# Altium PCB RF-BIG-DB5AT_v1.pcbdoc (part 1 of 7) (continued)
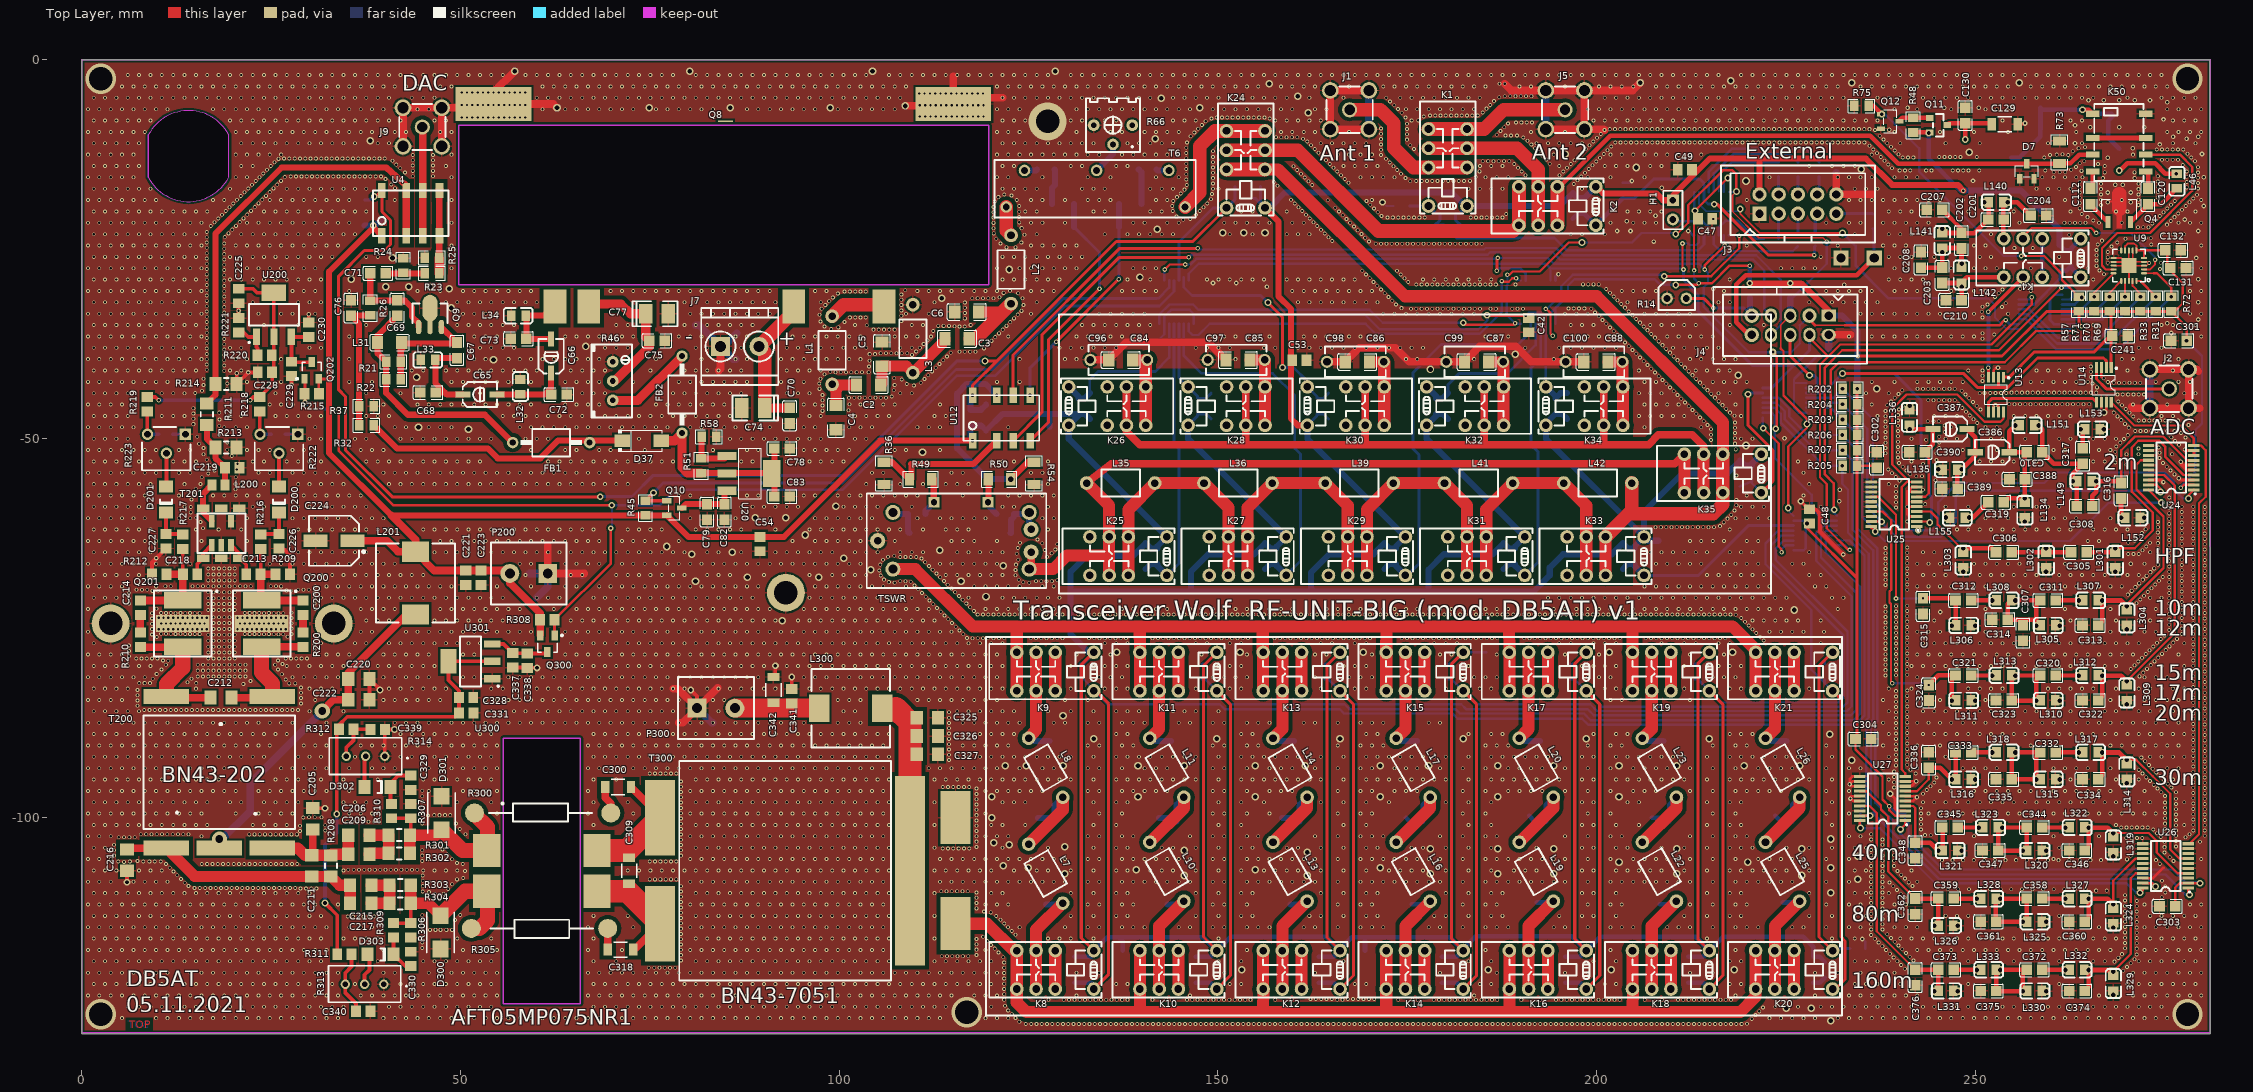
[diagram p0: Top Layer view]
## Components (designator, comment, footprint, x,y, rotation, side; value= is the part's Value field where it differs from the comment) (continued)
J5 "ANT2" SMA-TH_BWSMA-KE-Z001 195.834,-6.604 r0 top
J7 "HiCurrent13.8V" CONN-TH_TY500-5.08-02P-14-00AH 86.868,-37.846 r0 top
J9 "DAC" SMA-TH_BWSMA-KE-Z001 44.958,-8.89 r0 top
K1 "G6S-2-12V" RELAY-TH_G6S-2-X 180.34,-14.224 r90 top
K2 "G6S-2-12V" RELAY-TH_G6S-2-X 194.818,-19.304 r180 top
K4 "G6S-2-12V" RELAY-TH_G6S-2-X 258.826,-26.162 r180 top
K8 "G6S-2-12V" RELAY-TH_G6S-2-X 128.524,-120.142 r180 top
K9 "G6S-2-12V" RELAY-TH_G6S-2-X 128.524,-80.772 r180 top
K10 "G6S-2-12V" RELAY-TH_G6S-2-X 144.78,-120.142 r180 top
K11 "G6S-2-12V" RELAY-TH_G6S-2-X 144.78,-80.772 r180 top
K12 "G6S-2-12V" RELAY-TH_G6S-2-X 161.036,-120.142 r180 top
K13 "G6S-2-12V" RELAY-TH_G6S-2-X 161.036,-80.772 r180 top
K14 "G6S-2-12V" RELAY-TH_G6S-2-X 177.292,-120.142 r180 top
K15 "G6S-2-12V" RELAY-TH_G6S-2-X 177.292,-80.772 r180 top
K16 "G6S-2-12V" RELAY-TH_G6S-2-X 193.548,-120.142 r180 top
K17 "G6S-2-12V" RELAY-TH_G6S-2-X 193.548,-80.772 r180 top
K18 "G6S-2-12V" RELAY-TH_G6S-2-X 209.804,-120.142 r180 top
K19 "G6S-2-12V" RELAY-TH_G6S-2-X 209.804,-80.772 r180 top
K20 "G6S-2-12V" RELAY-TH_G6S-2-X 226.06,-120.142 r180 top
K21 "G6S-2-12V" RELAY-TH_G6S-2-X 226.06,-80.772 r180 top
K24 "G6S-2-12V" RELAY-TH_G6S-2-X 153.67,-14.478 r90 top
K25 "G6S-2-12V" RELAY-TH_G6S-2-X 138.176,-65.532 r180 top
K26 "G6S-2-12V" RELAY-TH_G6S-2-X 135.382,-45.72 r0 top
K27 "G6S-2-12V" RELAY-TH_G6S-2-X 153.924,-65.532 r180 top
K28 "G6S-2-12V" RELAY-TH_G6S-2-X 151.13,-45.72 r0 top
K29 "G6S-2-12V" RELAY-TH_G6S-2-X 169.672,-65.532 r180 top
K30 "G6S-2-12V" RELAY-TH_G6S-2-X 166.878,-45.72 r0 top
K31 "G6S-2-12V" RELAY-TH_G6S-2-X 185.42,-65.532 r180 top
K32 "G6S-2-12V" RELAY-TH_G6S-2-X 182.626,-45.72 r0 top
K33 "G6S-2-12V" RELAY-TH_G6S-2-X 201.168,-65.532 r180 top
K34 "G6S-2-12V" RELAY-TH_G6S-2-X 198.374,-45.72 r0 top
K35 "G6S-2-12V" RELAY-TH_G6S-2-X 216.662,-54.61 r180 top
K50 "G6K-2F-5V" RELAY-TH_G6K-2F-Y 268.986,-10.922 r270 top
L1 "0.2uH" BEAD-TH_BD3.5-L4.7-P8.70-D0.7 99.06,-38.354 r270 top value=7A
L2 "0.2uH" BEAD-TH_BD3.5-L4.7-P8.70-D0.7 122.682,-27.686 r90 top value=7A
L3 "0.2uH" BEAD-TH_BD3.5-L4.7-P8.70-D0.7 109.728,-36.83 r270 top value=7A
L7 "0.065uH" BEAD-TH_BD3.5-L4.7-P8.70-D0.7 127.254,-107.442 r120 top value=7A
L8 "0.065uH" BEAD-TH_BD3.5-L4.7-P8.70-D0.7 127.254,-93.472 r120 top value=7A
L10 "0.15uH" BEAD-TH_BD3.5-L4.7-P8.70-D0.7 143.256,-107.188 r120 top value=7A
L11 "0.15uH" BEAD-TH_BD3.5-L4.7-P8.70-D0.7 143.256,-93.472 r120 top value=7A
L13 "0.3uH" BEAD-TH_BD3.5-L4.7-P8.70-D0.7 159.512,-107.188 r120 top value=7A
L14 "0.3uH" BEAD-TH_BD3.5-L4.7-P8.70-D0.7 159.512,-93.472 r120 top value=7A
L16 "0.6uH" BEAD-TH_BD3.5-L4.7-P8.70-D0.7 175.768,-107.188 r120 top value=7A
L17 "0.6uH" BEAD-TH_BD3.5-L4.7-P8.70-D0.7 175.768,-93.472 r120 top value=7A
L19 "1.15uH" BEAD-TH_BD3.5-L4.7-P8.70-D0.7 192.024,-107.188 r120 top value=7A
L20 "1.15uH" BEAD-TH_BD3.5-L4.7-P8.70-D0.7 192.024,-93.472 r120 top value=7A
L22 "2.3uH" BEAD-TH_BD3.5-L4.7-P8.70-D0.7 208.28,-107.188 r120 top value=7A
L23 "2.3uH" BEAD-TH_BD3.5-L4.7-P8.70-D0.7 208.28,-93.472 r120 top value=7A
L25 "4.5uH" BEAD-TH_BD3.5-L4.7-P8.70-D0.7 224.536,-107.188 r120 top value=7A
L26 "4.5uH" BEAD-TH_BD3.5-L4.7-P8.70-D0.7 224.536,-93.472 r120 top value=7A
L31 "0.22u" L1206 40.64,-37.338 r180 top
L32 "0.0082u" L0805 57.912,-43.18 r270 top
L33 "0.0082u" L0805 45.72,-39.624 r0 top
L34 "0.0082u" L0805 57.658,-33.782 r0 top
L35 "0.1uH" BEAD-TH_BD3.5-L4.7-P8.70-D0.7 137.16,-55.88 r0 top value=7A
L36 "0.22uH" BEAD-TH_BD3.5-L4.7-P8.70-D0.7 152.654,-55.88 r0 top value=7A
L39 "0.45uH" BEAD-TH_BD3.5-L4.7-P8.70-D0.7 168.656,-55.88 r0 top value=7A
L41 "1.0uH" BEAD-TH_BD3.5-L4.7-P8.70-D0.7 184.404,-55.88 r0 top value=7A
L42 "2.2uH" BEAD-TH_BD3.5-L4.7-P8.70-D0.7 200.152,-55.88 r0 top value=7A
L46 "0.22u" L0805 276.606,-16.002 r90 top
L134 "0.0082u" L0805-WOLF 256.54,-59.436 r90 top
L135 "0.0082u" L0805-WOLF 246.634,-54.102 r0 top
L136 "0.0082u" L0805-WOLF 241.3,-47.244 r270 top
L140 "0.1u" L0805-WOLF 252.73,-18.796 r180 top
L141 "0.082u" L0805-WOLF 245.618,-23.876 r270 top
L142 "0.15u" L0805-WOLF 248.159,-28.449 r270 top
L149 "0.022u" L0805-WOLF 264.414,-55.626 r180 top
L151 "0.022u" L0805-WOLF 256.794,-48.26 r180 top
L152 "0.33u" L0805-WOLF 270.764,-60.452 r180 top
L153 "0.18u" L0805-WOLF 265.43,-48.768 r180 top
L155 "0.33u" L0805-WOLF 247.65,-60.452 r0 top
L200 "22nH" IND_0805 18.034,-56.123 r180 top
L201 "10uH" IND_FERRITE_CORE 44.069,-69.088 r90 top
L300 "10uH" IND_FERRITE_CORE 101.514,-85.612 r180 top
L301 "0.27u" L0805-WOLF 268.478,-66.04 r90 top
L302 "0.082u" L0805-WOLF 259.334,-66.04 r90 top
L303 "0.1u" L0805-WOLF 248.412,-66.04 r90 top
L304 "0.47u" L0805-WOLF 270.002,-73.66 r90 top
L305 "0.15u" L0805-WOLF 259.588,-74.676 r180 top
L306 "0.15u" L0805-WOLF 248.412,-74.676 r180 top
L307 "0.27u" L0805-WOLF 265.176,-71.374 r180 top
L308 "0.33u" L0805-WOLF 253.746,-71.374 r180 top
L309 "1u" L0805-WOLF 270.002,-83.566 r90 top
L310 "0.33u" L0805-WOLF 259.588,-84.582 r180 top
L311 "0.33u" L0805-WOLF 248.412,-84.582 r180 top
L312 "0.56u" L0805-WOLF 265.176,-81.28 r180 top
L313 "0.82u" L0805-WOLF 253.746,-81.28 r180 top
L314 "1.5u" L0805-WOLF 270.002,-93.98 r90 top
L315 "0.47u" L0805-WOLF 259.588,-94.996 r180 top
L316 "0.56u" L0805-WOLF 248.412,-94.996 r180 top
L317 "1u" L0805-WOLF 265.176,-91.44 r180 top
L318 "1.5u" L0805-WOLF 253.746,-91.44 r180 top
L319 "1.8u" L0805-WOLF 268.224,-103.632 r90 top
L320 "0.68u" L0805-WOLF 257.81,-104.394 r180 top
L321 "0.82u" L0805-WOLF 246.634,-104.394 r180 top
L322 "2.2u" L0805-WOLF 263.398,-101.346 r180 top
L323 "2.7u" L0805-WOLF 251.968,-101.346 r180 top
L324 "4.7u" L0805-WOLF 268.224,-113.03 r90 top
L325 "1.5u" L0805-WOLF 257.81,-113.792 r180 top
L326 "1.8u" L0805-WOLF 246.126,-114.3 r180 top
L327 "2.7u" L0805-WOLF 263.398,-110.744 r180 top
L328 "3.3u" L0805-WOLF 251.714,-110.744 r180 top
L329 "5.6u" L0805-WOLF 268.224,-121.92 r90 top
L330 "2.2u" L0805-WOLF 257.81,-122.936 r180 top
L331 "2.2u" L0805-WOLF 246.126,-122.936 r180 top
L332 "6.8u" L0805-WOLF 263.398,-120.142 r180 top
L333 "8.2u" L0805-WOLF 251.714,-120.142 r180 top
P200 "13.8V" "2 Pole Screw" 59.015,-67.818 r180 top
P300 "HiCurrent 13.8V" "2 Pole Screw" 83.733,-85.598 r0 top
Q4 "PGA103+/SPF5189Z" SOT-89-3_L4.5-W2.5-P1.50-LS4.2-TL 268.986,-20.066 r90 top
Q8 "RA80H1415M1" RA80H1415M1 49.784,-29.718 r0 top locked
Q9 "RD01MUS1" RD01MUS1 45.974,-34.036 r270 top
Q10 "IRLML9301" SOT-23-3_L2.9-W1.3-P1.90-LS2.4-BR 78.232,-59.182 r180 top
Q11 "IRLML9301" SOT-23_L2.9-W1.3-P1.90-LS2.4-BR 245.11,-8.636 r180 top
Q12 "BSS123" SOT-23-3_L2.9-W1.6-P1.90-LS2.8-BR 238.76,-8.128 r180 top
Q200 "AFT09MS015NT1" AFT09MS015NT1 23.749,-74.422 r180 top
Q201 "AFT09MS015NT1" AFT09MS015NT1 13.335,-74.422 r180 top
Q202 "IRLML9301" SOT23 30.353,-41.021 r0 top
Q300 "IRLML9301" SOT23 61.468,-77.089 r180 top
R3 "560" R0805#1 223.012,-23.622 r180 bottom
R7 "560" R0805#1 224.028,-14.478 r270 bottom
R8 "560" R0805#1 226.568,-23.622 r270 bottom
R9 "560" R0805#1 226.568,-14.478 r270 bottom
R10 "560" R0805#1 228.854,-23.622 r270 bottom
R11 "560" R0805#1 229.362,-14.478 r270 bottom
R12 "560" R0805#1 236.474,-21.336 r270 bottom
R13 "2k" R0805#1 220.218,-30.48 r90 bottom
R14 "KTY81/120" RES-TH_KTY81 210.566,-31.496 r180 top
R21 "750" R0805#2 41.148,-39.878 r180 top
R22 "470" R0805#2 41.148,-42.164 r180 top
R23 "20" R0805#2 46.228,-28.194 r0 top
R24 "300" R0805#2 42.418,-27.178 r270 top
R25 "300" R0805#2 46.228,-26.162 r0 top
R26 "56" R0805#2 38.1,-32.766 r90 top
R31 "1k" R0805#2 273.812,-32.258 r90 top
R32 "6.8k" R0805#2 37.592,-48.26 r180 top
R33 "1k" R0805#2 271.78,-32.258 r90 top
R35 "1k" R0805#1 225.552,-30.48 r90 bottom
R36 "510" R1206#1 105.918,-54.61 r90 top
R37 "2.7k" R0805#2 37.592,-45.72 r180 top
R39 "18" R1206#2 268.986,-13.208 r270 bottom
R45 "30k" R0805#2 74.422,-59.182 r90 top
R46 "1K" RES-ADJ-TH_3296W 70.104,-42.418 r0 top
R48 "30k" R0805#2 241.808,-8.636 r270 top
R49 "0" R1206#1 110.744,-55.372 r0 top
R50 "0" R1206#3 121.158,-55.372 r180 top
R51 "100" R0805#2 81.788,-53.594 r270 top
R54 "510" R1206#1 125.73,-54.61 r270 top
R55 "50" R1206#2 121.158,-62.484 r180 bottom
R56 "50" R1206#2 110.744,-62.484 r180 bottom
R57 "1k" R0805#2 263.652,-32.258 r90 top
R58 "620" R0805#2 82.804,-49.784 r0 top
R64 "1K" R1206#2 129.54,-22.098 r180 bottom
R65 "0" R1206#2 129.54,-19.05 r0 bottom
R66 "100" RES-ADJ-TH_3362P 136.144,-9.906 r180 top
R67 "0" R1206#2 138.43,-19.05 r180 bottom
R68 "1K" R1206#2 135.382,-22.098 r0 bottom
R69 "1k" R0805#2 269.748,-32.258 r90 top
R70 "1k" R0805#2 267.716,-32.258 r90 top
R71 "1k" R0805#2 265.684,-32.258 r90 top
R72 "1k" R0805#2 275.844,-32.258 r90 top
R73 "10k" R1206#1 261.112,-12.192 r270 top
R75 "30k" R0805#2 234.95,-6.096 r180 top
R200 "430" RES_0805 29.21,-76.581 r270 top
R201 "1k" R0805#1 233.426,-41.402 r0 bottom
R202 "1k" R0805#2 233.426,-43.434 r180 top
R203 "1k" R0805#2 233.426,-47.498 r180 top
R204 "1k" R0805#2 233.426,-45.466 r180 top
R205 "1k" R0805#2 233.426,-53.594 r180 top
R206 "1k" R0805#2 233.426,-49.53 r180 top
R207 "1k" R0805#2 233.426,-51.562 r180 top
R208 "100" RES_1206 32.893,-106.429 r90 top
R209 "1k" RES_0805 26.543,-67.945 r180 top
R210 "430" RES_0805 7.747,-76.581 r270 top
R211 "20" RES_1206 16.51,-46.799 r270 top
R212 "1k" RES_0805 10.226,-67.945 r180 top
R213 "300" RES_1206 19.05,-51.181 r180 top
R214 "300" RES_1206 19.05,-42.799 r180 top
R215 "30k" RES_0805 30.353,-44.069 r0 top
R216 "56" RES_0805 23.622,-63.627 r270 top
R217 "56" RES_0805 13.335,-63.627 r270 top
R218 "100" RES_0805 23.495,-45.466 r90 top
R219 "100" RES_0805 8.636,-45.466 r90 top
R220 "200" RES_0805 24.13,-38.989 r180 top
R221 "1.2k" RES_0805 20.701,-35.052 r90 top
R222 "ADJ-1k" 306J 26.035,-51.343 r270 top value=1k
R223 "ADJ-1k" 306J 11.176,-51.343 r270 top value=1k
R300 "PartNumber" Res_2W 51.85,-99.441 r0 top value=220
R301 "4.7" RES_1206 41.91,-102.362 r0 top
R302 "4.7" RES_1206 41.91,-104.775 r0 top
R303 "4.7" RES_1206 42.037,-108.966 r0 top
R304 "4.7" RES_1206 42.037,-111.379 r0 top
R305 "PartNumber" Res_2W 69.435,-114.681 r180 top value=220
R306 "2.2k" RES_0805 43.434,-114.935 r90 top
R307 "2.2k" RES_0805 43.434,-99.187 r90 top
R308 "30k" RES_0805 61.468,-73.914 r180 top
R309 "1k" RES_0805 41.148,-114.935 r90 top
R310 "1k" RES_0805 40.894,-99.187 r270 top
R311 "56" RES_0805 34.671,-118.11 r180 top
R312 "56" RES_0805 34.925,-88.392 r180 top
R313 "ADJ-10k" 3296W-1 37.338,-122.047 r180 top value=10k
R314 "ADJ-10k" 3296W-1 37.465,-91.948 r180 top value=10k
T6 "VHF Tandem Meter" "VHF SWR METER" 133.858,-17.018 r0 top
T200 "TRANSF_HF3" TRANSF_HF3 18.176,-94.074 r0 top locked
T201 "1:1" TRANSF_ACORE2 18.415,-62.483 r90 top
T300 "TRANSF_HF2" "TRANSF_HF3 - bn43-7051" 92.847,-107.061 r90 top locked
TSWR "BN-61-202" BN43-202_TANDEM 116.332,-63.5 r0 top
U1 "STPIC6C595TTR" TSSOP-16_L5.0-W4.4-P0.65-LS6.4-BL 258.572,-33.274 r90 bottom
U2 "STPIC6C595TTR" TSSOP-16_L5.0-W4.4-P0.65-LS6.4-BL 144.526,-32.004 r0 bottom
U3 "STPIC6C595TTR" TSSOP-16_L5.0-W4.4-P0.65-LS6.4-BL 192.278,-32.004 r0 bottom
U4 "axicom im06c" IM06C 39.624,-23.241 r0 top
U6 "LM1117DT-5.0" TD03B 252.73,-12.954 r270 bottom
U7 "STPIC6C595TTR" TSSOP-16_L5.0-W4.4-P0.65-LS6.4-BL 228.854,-62.484 r270 bottom
U9 "PE4302" QFN-20L_L4.0-W4.0-P0.50-BL-EP2.0 270.256,-27.178 r90 top
U11 "STPIC6C595TTR" TSSOP-16_L5.0-W4.4-P0.65-LS6.4-BL 215.138,-20.32 r180 bottom
U12 "axicom im06c" IM06C 117.602,-50.292 r0 top
U13 "ADG918BRMZ" MSOP-8_L3.0-W3.0-P0.65-LS4.9-BL 252.73,-44.196 r180 top
U14 "ADG918BRMZ" MSOP-8_L3.0-W3.0-P0.65-LS4.9-BL 266.954,-42.926 r180 top
U20 "LT1117-ADJ" SOT-223-3_L6.5-W3.4-P2.30-LS7.0-BR 88.138,-54.61 r180 top
U21 "STPIC6C595TTR" TSSOP-16_L5.0-W4.4-P0.65-LS6.4-BL 224.79,-44.958 r90 bottom
U24 "ADG904BRUZ" TSSOP-20 275.844,-53.848 r180 top
U25 "ADG904BRUZ" TSSOP-20 239.268,-58.674 r180 top
U26 "ADG904BRUZ" TSSOP-20 275.082,-106.426 r180 top
U27 "ADG904BRUZ" TSSOP-20 237.744,-97.536 r180 top
U200 "LT1117IST-ADJ" LT1117IST-ADJ 25.273,-33.655 r90 top value=LT1117-ADJ
U300 "AFT05MP075NR1" AFT05MP075NR1-Direct_Mount 60.745,-107.084 r270 top
U301 "LT1117IST-5.0" LT1117IST-ADJ 51.308,-79.502 r180 top

## Footprints (in the part's own frame and the unit in brackets; to place one, negate y for a bottom-side part, rotate by r counter-clockwise, add the part's x,y. Pads: shape width x height; smd on the part's side, far side on the other; paste and mask are expansions set on the pad)
"2 Pole Screw" [mm]
  rect 2.5x2.5 hole 1.3: 1(-2.5,0)
  round 2.5 hole 1.3: 2(2.5,0)
  silkscreen extent -5,-4.1 5,4.1
306J [mm]
  rect 1.5x1.5 hole 0.9: 1(-1.9,2.5)
  round 1.5 hole 0.9: 2(0.6,0) 3(-1.9,-2.5)
  silkscreen extent -2.85,-3.2 2.85,3.2
1206_180 [mm]
  rect 1.1x1.6 smd: 1(-1.7,0) 2(1.7,0)
  silkscreen extent -0.9,-1 0.9,1, body extent -1.75,-0.95 1.75,0.95, height 1.9
3296W-1 [mm]
  round 1.24 hole 0.74: 1(-2.54,0) 2(0,0) 3(2.54,0)
  silkscreen extent -5.64,-2.41 4.76,2.41, body extent -4.78,-2.48 4.78,2.35, height 11.55
AFT05MP075NR1-Direct_Mount [mm]
  rect 4.4x3.6 smd: 1(-2.69,-7.277) 2(2.69,-7.277) 3(-2.69,7.273) 4(2.69,7.273)
  Keep-Out Layer lines w0.2: 17.526,-5.08 -17.526,-5.08 -17.526,5.08 17.526,5.08 17.526,-5.08
  silkscreen extent -9.02,-5.33 -8.76,-5.08
AFT09MS015NT1 [mm]
  rect 4.91x2.16 smd: 1(0,-3.05) 3(0,3.05)
  rect 7.11x2.26 smd: 2(0,0)
  silkscreen extent -4.71,-4.48 3.81,4.38
BEAD-TH_BD3.5-L4.7-P8.70-D0.7 [mm]
  round 1.8 hole 1: 1(-4.5,0) 2(4.5,0)
  silkscreen extent -2.54,-1.8 2.54,1.8
BN43-202_TANDEM [mm]
  round 2 hole 1.2: 1(-9.25,3.75) 2(8.75,3.75) 3(-9.25,-3.75) 4(8.75,-3.75)
  round 2 hole 1: 5(9,-1.5) 6(9,1.5) 7(-11.25,0)
  silkscreen extent -12.7,-6.25 11,6.25
C0805#1 [mm]
  rect 1.41x1.35 smd: 1(1.03,0) 2(-1.03,0)
  silkscreen extent -1.96,-0.9 1.96,0.9
C0805#2 [mm]
  rect 1.41x1.35 smd: 1(-1.03,0) 2(1.03,0)
  silkscreen extent -1.96,-0.9 1.96,0.9
C0805#3 [mm]
  rect 1.41x1.35 hole 0.808: 1(1.03,0)
  rect 1.41x1.35 smd: 2(-1.03,0)
  silkscreen extent -1.96,-0.9 1.96,0.9
C0805#4 [mm]
  rect 1.41x1.35 smd: 1(1.03,0)
  rect 1.41x1.35 hole 0.808: 2(-1.03,0)
  silkscreen extent -1.96,-0.9 1.96,0.9
C1206 [mm]
  rect 1.485x1.728 smd: 1(-1.593,0) 2(1.593,0)
  silkscreen extent -2.56,-1.09 2.56,1.09
C1210 [mm]
  rect 1.635x2.7 smd: 1(1.517,0) 2(-1.517,0)
  silkscreen extent -2.56,-1.58 2.56,1.58
CAP-ADJ-SMD_L4.5-W3.2-L [mm]
  rect 2x0.8 smd: 1(-2.25,0) 2(2.25,0)
  silkscreen extent -2.29,-1.65 2.25,1.65
CAP-TH_L8.0-W4.0-P7.50-D0.6 [mm]
  round 1.6 hole 1: 1(-3.75,0) 2(3.75,0)
  silkscreen extent -4,-2 4,2
CAP_0805 [mm]
  rect 1.3x1.5 smd: 1(-0.75,0) 2(1.15,0)
CAP_1206 [mm]
  rect 1.6x1.8 smd: 1(-1.4,0) 2(1.4,0)
CAPAE_6.6x6.6h5.4 [mm]
  rect 3.15x1.6 smd: 1(-2.362,0) 2(2.538,0)
  silkscreen extent -4.11,-3.3 3.39,3.3
CASE-B_3528 [mm]
  rect 1.8x2.6 smd: 1(1.501,0) 2(-1.501,0)
  silkscreen extent -2.73,-1.65 3.26,1.65
CONN-TH_TY500-5.08-02P-14-00AH [mm]
  rect 2.5x2.5 hole 1.5: 1(-2.54,0)
  round 2.5 hole 1.5: 2(2.54,0)
  silkscreen extent -5.08,-5.08 5.08,5.08
FERRITE_BEAD [mm]
  round 1.5 hole 0.8: 1(-5.08,0) 2(5.08,0)
  silkscreen extent -4.04,-1.82 4.04,1.82
HDR-F-2.54_1X2 [mil]
  rect 62x62 hole 35: 1(-50,0)
  round 62 hole 35: 2(50,0)
  silkscreen extent -100,-49 100,50
IDC-10#1 [mm]
  rect 1.9x1.9 hole 1.1: 1(-5.08,-1.27)
  round 1.9 hole 1.1: 2(-5.08,1.27) 3(-2.54,-1.27) 4(-2.54,1.27) 5(0,-1.27) 6(0,1.27) 7(2.54,-1.27) 8(2.54,1.27) 9(5.08,-1.27) 10(5.08,1.27)
  silkscreen extent -10.16,-5.08 10.16,5.08
IDC-10#2 [mm]
  rect 1.9x1.6 hole 1.1: 1(-5.08,-1.27)
  oval 1.9x1.6 hole 1.1: 2(-5.08,1.27)
  round 1.9 hole 1.1: 3(-2.54,-1.27) 9(5.08,-1.27) 10(5.08,1.27)
  oval 1.6x1.9 hole 1.1: 4(-2.54,1.27) 5(0,-1.27) 6(0,1.27) 7(2.54,-1.27) 8(2.54,1.27)
  silkscreen extent -10.16,-5.08 10.16,5.08
IM06C [mm]
  rect 1x2 smd: 1(0,0) 2(3.2,0) 3(5.4,0) 4(7.6,0) 5(7.6,6) 6(5.4,6) 7(3.2,6) 8(0,6)
  silkscreen extent -1.2,0 8.8,6
IND_0805 [mm]
  rect 1.2x1.45 smd: 1(-0.85,0) 2(0.85,0)
IND_FERRITE_CORE [mm]
  rect 2.7x3.6 smd: 1(-4.15,0) 2(4.15,0)
  silkscreen extent -5.2,-5.2 5.2,5.2
L0805 [mm]
  rect 1.133x1.377 smd: 1(-0.966,0) 2(0.966,0)
  silkscreen extent -1.95,-1.02 1.86,1.02
L0805-WOLF [mm]
  rect 1x1 hole 0.61: 1(-1.55,0.02) 2(1.55,0.02)
  rect 1.133x1.377 smd: 1(-0.966,0) 2(0.966,0)
  silkscreen extent -1.95,-1.02 1.86,1.02
L1206 [mm]
  rect 1.485x1.728 smd: 1(-1.593,0) 2(1.593,0)
  silkscreen extent -2.56,-1.09 2.56,1.09
LT1117IST-ADJ [mm]
  rect 2.15x0.95 smd: 1(-2.9,2.215) 2(-2.9,-0.085) 3(-2.9,-2.385)
  rect 2.15x3.25 smd: 4(2.9,-0.085)
  silkscreen extent -3.86,-3.38 1.4,3.38
MSOP-8_L3.0-W3.0-P0.65-LS4.9-BL [mil]
  rect 15.98x55 smd: 1(-38.39,-90.56) 2(-12.8,-90.56) 3(12.8,-90.55) 4(38.39,-90.55) 5(38.39,90.56) 6(12.8,90.56) 7(-12.8,90.55) 8(-38.39,90.55)
  silkscreen extent -70,-91 59,51
QFN-20L_L4.0-W4.0-P0.50-BL-EP2.0 [mm]
  oval 0.28x0.8 smd: 1(-1,-2) 2(-0.5,-2) 3(0,-2) 4(0.5,-2) 5(1,-2) 11(1,2) 12(0.5,2) 13(0,2) 14(-0.5,2) 15(-1,2)
  oval 0.8x0.28 smd: 6(2,-1) 7(2,-0.5) 8(2,0) 9(2,0.5) 10(2,1) 16(-2,1) 17(-2,0.5) 18(-2,0) 19(-2,-0.5) 20(-2,-1)
  rect 2x2 smd: 21(0,0)
  silkscreen extent -2.15,-2.81 2.15,2.15
R0805#1 [mm]
  rect 1.133x1.377 smd: 1(0.966,0) 2(-0.966,0)
  silkscreen extent -1.76,-0.92 1.76,0.92
R0805#2 [mm]
  rect 1.133x1.377 smd: 1(-0.966,0) 2(0.966,0)
  silkscreen extent -1.76,-0.92 1.76,0.92
R1206#1 [mm]
  rect 1.208x1.701 smd: 1(-1.479,0) 2(1.479,0)
  silkscreen extent -2.31,-1.08 2.31,1.08
R1206#2 [mm]
  rect 1.208x1.701 smd: 1(1.479,0) 2(-1.479,0)
  silkscreen extent -2.31,-1.08 2.31,1.08
R1206#3 [mm]
  rect 1.208x1.701 hole 0.726: 1(-1.479,0)
  rect 1.208x1.701 smd: 2(1.479,0)
  silkscreen extent -2.31,-1.08 2.31,1.08
RA80H1415M1 [mm]
  rect 3.048x4.5 smd: 1(12.7,-2.877)
  rect 3x4.5 smd: 2(17.145,-2.877) 3(44.196,-2.877) 4(56.134,-2.877)
  rect 2x0.2 smd: 5(35.179,21.596)
  Keep-Out Layer board cut-out: 0,21.082 0,0 69.977,0 69.977,21.082
RD01MUS1 [mm]
  oval 1.9x0.7 smd: D(1.25,1.5) G(1.25,-1.5)
  oval 3.5x2 smd: S(-1.25,0)
  oval 2.1x0.7 smd: S(1.151,0)
  silkscreen extent -1.85,-2.3 0.75,2.3
RELAY-TH_G6K-2F-Y [mm]
  rect 0.8x1.8 smd: 1(-3.8,-3.5) 2(-0.6,-3.5) 3(1.6,-3.5) 4(3.8,-3.5) 5(3.8,3.5) 6(1.6,3.5) 7(-0.6,3.5) 8(-3.8,3.5)
  silkscreen extent -5.07,-3.3 5.09,3.2
RELAY-TH_G6S-2-X [mm]
  round 1.8 hole 1: 1(-5.08,-2.54) 3(0,-2.54) 4(2.54,-2.54) 5(5.08,-2.54) 8(5.08,2.54) 9(2.54,2.54) 10(0,2.54) 12(-5.08,2.54)
  silkscreen extent -6.08,-3.65 8.72,3.65
RES-ADJ-TH_3296W [mil]
  round 60 hole 30: 1(0,100) 2(0,0) 3(0,-100)
  silkscreen extent -110,-190 100,190
RES-ADJ-TH_3362P [mil]
  round 60 hole 30: 1(-100,-50) 2(0,50) 3(100,-50)
  silkscreen extent -140,-190 140,90
RES-TH_KTY81 [mil]
  round 60 hole 35.43: 1(50,0) 2(-50,0)
  silkscreen extent -95,-95 95,60
Res_2W [mm]
  round 2.5 smd: 1(0,0) 2(18,0)
  silkscreen extent 1.91,-1.14 15.49,1.27
RES_0805 [mm]
  rect 1.3x1.5 smd: 1(-0.95,0) 2(0.95,0)
RES_1206 [mm]
  rect 1.6x1.8 smd: 1(-1.4,0) 2(1.4,0)
  silkscreen extent -0.3,-0.8 0.3,0.8
SMA-TH_BWSMA-KE-Z001 [mm]
  round 2.2 hole 1.5: 1(-2.55,-2.55) 2(-2.55,2.55) 3(2.55,2.55) 4(2.55,-2.55)
  round 2 hole 1.35: 5(0,0)
  silkscreen extent -3.05,-3.05 3.05,3.05
SMA_L4.3-W2.6-LS5.2-RD [mm]
  rect 2x2 hole 1.199: 1(2.2,0) 2(-2.2,0)
  silkscreen extent -2.6,-1.5 2.98,1.5
SMA_L4.4-W2.8-LS5.4-RD [mm]
  rect 2.046x1.62 smd: 1(-2.566,0) 2(2.565,0)
  silkscreen extent -3.08,-1.44 2.7,1.44
SMBJ36CATR [mm]
  rect 2.2x2.15 smd: 1(-2.2,0) 2(2.2,0)
  silkscreen extent -2.68,-1.81 2.68,1.81, body extent -3.08,-1.81 3.09,1.81, height 2.75
SOD-123FL_L2.6-W1.6-LS3.4-RD [mm]
  rect 1.3x1.3 smd: 1(-1.7,0) 2(1.7,0)
  silkscreen extent -1.5,-1 1.5,1
SOD-323_L1.8-W1.3-LS2.5-RD [mm]
  rect 1x0.75 smd: 1(1.173,0) 2(-1.173,0)
  silkscreen extent -0.9,-0.8 1.08,0.8
SOT23 [mm] "SOT-23; 3 Leads; Body 3.0 x 2.6 mm, inc. leads (LxW max)"
  rect 0.85x1.3 smd: 1(-0.95,-1.1) 2(0.95,-1.1) 3(0,1.1)
  silkscreen extent -2.05,-1.22 1.28,1.1
SOT-23-3_L2.9-W1.3-P1.90-LS2.4-BR [mm]
  rect 1.25x0.7 smd: 1(1,-0.95) 2(1,0.95) 3(-1,0)
  silkscreen extent -0.73,-1.53 0.73,1.53
SOT-23-3_L2.9-W1.6-P1.90-LS2.8-BR [mm]
  rect 1.07x0.6 smd: 1(1.235,-0.95) 2(1.235,0.95) 3(-1.235,0)
  silkscreen extent -0.88,-1.54 0.88,1.54
SOT-23_L2.9-W1.3-P1.90-LS2.4-BR [mm]
  rect 1x0.8 smd: 1(1.15,-0.95) 2(1.15,0.95) 3(-1.15,0)
  silkscreen extent -0.7,-1.5 0.7,1.5
SOT-89-3_L4.5-W2.5-P1.50-LS4.2-TL [mm]
  rect 1.575x0.672 smd: 1(-1.356,1.5) 3(-1.356,-1.5)
  round 0 smd: 2(1.356,-0.009)
  Top Layer region: 2.283,-0.959 0.429,-0.959 0.385,-0.958 0.34,-0.955 0.296,-0.949 0.252,-0.942 0.208,-0.933 0.165,-0.921 0.123,-0.908 0.081,-0.893 0.04,-0.875 0,-0.856 -0.04,-0.835 -0.078,-0.812 -0.115,-0.788 -0.151,-0.761 -0.185,-0.733 -0.219,-0.704 -0.251,-0.673 -0.281,-0.64 -0.31,-0.606 -0.337,-0.571 -0.362,-0.534 -0.386,-0.497 -0.408,-0.458 -0.428,-0.418 -0.447,-0.339 -2.144,-0.339 -2.144,0.321 -0.447,0.321 -0.428,0.401 -0.408,0.44 -0.386,0.479 -0.362,0.517 -0.337,0.553 -0.31,0.588 -0.281,0.622 -0.251,0.655 -0.219,0.686 -0.185,0.716 -0.151,0.744 -0.115,0.77 -0.078,0.795 -0.04,0.818 0,0.839 0.04,0.858 0.081,0.875 0.123,0.89 0.165,0.904 0.208,0.915 0.252,0.925 0.296,0.932 0.34,0.937 0.385,0.94 0.429,0.941 2.283,0.941 2.328,0.94 2.372,0.937 2.416,0.932 2.46,0.925 2.504,0.915 2.547,0.904 2.589,0.89 2.631,0.875 2.672,0.858 2.713,0.839 2.752,0.818 2.79,0.795 2.827,0.77 2.863,0.744 2.898,0.716 2.931,0.686 2.963,0.655 2.993,0.622 3.022,0.588 3.049,0.553 3.075,0.517 3.098,0.479 3.12,0.44 3.141,0.401 3.159,0.36 3.175,0.318 3.189,0.276 3.202,0.233 3.212,0.19 3.22,0.146 3.227,0.102 3.231,0.058 3.233,0.013 3.233,-0.031 3.231,-0.076 3.227,-0.12 3.22,-0.164 3.212,-0.208 3.202,-0.251 3.189,-0.294 3.175,-0.336 3.159,-0.377 3.141,-0.418 3.12,-0.458 3.098,-0.497 3.075,-0.534 3.049,-0.571 3.022,-0.606 2.993,-0.64 2.963,-0.673 2.931,-0.704 2.898,-0.733 2.863,-0.761 2.827,-0.788 2.79,-0.812 2.752,-0.835 2.713,-0.856 2.672,-0.875 2.631,-0.893 2.589,-0.908 2.547,-0.921 2.504,-0.933 2.46,-0.942 2.416,-0.949 2.372,-0.955 2.328,-0.958
  silkscreen extent -1,-2.33 1.65,2.33
SOT-223-3_L6.5-W3.4-P2.30-LS7.0-BR [mm]
  rect 2.5x1.1 smd: 1(2.97,-2.3) 2(2.97,0) 3(2.97,2.3)
  rect 2.34x3.6 smd: 4(-2.97,0)
  silkscreen extent -1.57,-3.33 1.37,3.33
SS14 [mm]
  rect 1.6x1.8 smd: 1(-1.4,0) 2(2.032,0)
  silkscreen extent -0.3,-0.8 0.3,0.8
TD03B [mil]
  rect 37.5x75.5 smd: 1(90,166) 3(-90,166)
  rect 217.5x272.5 smd: 4(0,-78)
  silkscreen extent -132,74 135,171
TRANSF_ACORE2 [mm]
  rect 1x1.65 smd: 1(-3.3,2.4) 2(-3.3,0) 3(-3.3,-2.4) 4(3.3,-2.4) 5(3.3,0) 6(3.3,2.4)
  rect 1.65x0.76 smd: 7(-1.59,1.27) 8(-1.59,0) 9(-1.59,-1.27) 10(1.59,1.27) 11(1.59,-1.27)
  silkscreen extent -2.61,-3.21 2.61,3.13
TRANSF_HF3 [mm]
  rect 6x2 smd: 1(-7,10) 2(0,-10) 3(7,10) 4(-7,-10) 5(7,-10)
  silkscreen extent -10,-7.5 10,7.5
"TRANSF_HF3 - bn43-7051" [mm]
  rect 10x4 smd: 1(-7,16.5) 2(7,16.5)
  rect 25x4 smd: 3(0,-16.5)
  rect 7x4 smd: 4(-7,-22.5) 5(7,-22.5)
  silkscreen extent -14.48,-13.97 14.48,13.97
TSSOP-16_L5.0-W4.4-P0.65-LS6.4-BL [mm]
  oval 0.343x1.731 smd: 1(2.275,2.866) 2(1.625,2.866) 3(0.975,2.866) 4(0.325,2.866) 5(-0.325,2.866) 6(-0.975,2.866) 7(-1.625,2.866) 8(-2.275,2.866) 9(-2.275,-2.866) 10(-1.625,-2.866) 11(-0.975,-2.866) 12(-0.325,-2.866) 13(0.325,-2.866) 14(0.975,-2.866) 15(1.625,-2.866) 16(2.275,-2.866)
  silkscreen extent -2.58,-1.77 3.05,3.02
TSSOP-20 [mm]
  rect 1.494x0.4 smd: 1(-3.001,2.925) 2(-3.001,2.275) 3(-3.001,1.625) 4(-3.001,0.975) 5(-3.001,0.325) 6(-3.001,-0.324) 7(-3.001,-0.975) 8(-3.001,-1.625) 9(-3.001,-2.275) 10(-3.001,-2.925) 11(3.001,-2.925) 12(3.001,-2.275) 13(3.001,-1.625) 14(3.001,-0.975) 15(3.001,-0.325) 16(3.001,0.325) 17(3.001,0.975) 18(2.996,1.625) 19(2.996,2.275) 20(3.001,2.925)
  silkscreen extent -3.25,-3.31 1.91,3.53
"VHF SWR METER" [mil]
  round 60 hole 36: 1(-465,-95) 2(465,-95) 3(-370,95) 4(380,95) 5(5,95)
  silkscreen extent -525,-150 520,150

## Part data
C21 C26 C31 C36 C38 C42 C47 C48 C49 C50 C51 C52 C53 C54 C55 C56 C213 C218 C219 C221 C223 C225 C226 C227 C228 C229 C230 C232 C233 C328 C329 C330 C331 C337 C338 C339 C340: library part CAP_0805, "CAP_0805"
C65 C66 C386 C387: BOM_Manufacturer="Murata Electronics", BOM_Manufacturer Part=TZC3P300A110R00, BOM_Supplier=LCSC, BOM_Supplier Part=C107707, Contributor=LCSC, nameAlias=Value, spicePre=C, spiceSymbolName=TZC3P300A110R00
C96 C97 C98 C99 C100: BOM_Manufacturer=TDK, BOM_Manufacturer Part=CC45SL3AD101JYSNA, BOM_Supplier=LCSC, BOM_Supplier Part=C2835349, Contributor=LCSC, spicePre=C, spiceSymbolName=CC45SL3AD101JYSNA
C129 C300 C309 C318 C342: library part C1206, "CAP, CERM, +/- 10%, X7R, 1206", TempCo=X7R, Tolerance_%=10, Value1=100V, MountType=SMT, PackageReference=1206, SizeArea_mm2=5.12, SizeAreaWB_mm2=10.92, SizeX_mm=3.2, SizeY_mm=1.6, SizeZ_mm=1.8, TaMax_C=125, TaMin_C=-55, Technology=Ceramic
C200 C205 C206 C209 C211 C212 C214 C215 C216 C217 C220 C222 C231 C325 C326 C327 C341: library part CAP_1206, "CAP_1206"
C224: library part CAPAE_6.6x6.6h5.4, "CAPAE_6.6x6.6h5.4"
D1 D2 D3 D49 D50 U1 U2 U3 U7 U11 U21: BOM_JLCPCB Part Class="Extended Part", BOM_Manufacturer=STMicroelectronics, BOM_Supplier=LCSC, Contributor=LCSC
  D1 D3 D49 D50: BOM_Manufacturer Part=BAT46JFILM, BOM_Supplier Part=C111205, spicePre=D, spiceSymbolName=BAT46JFILM
  D2: BOM_Manufacturer Part=SMAJ5.0A-TR, BOM_Supplier Part=C98802, spicePre=D, spiceSymbolName=SMAJ5.0A-TR
  U1 U2 U3 U7 U11 U21: BOM_Manufacturer Part=STPIC6C595TTR, BOM_Supplier Part=C222081, spicePre=U, spiceSymbolName=STPIC6C595TTR
D4 D5 D8 D9 D13 D15 D17 D20 D22 D25 D27 D31 D32 D38 D39 D40 D41 D42 D43 D44 D45 D46 D47 D48 D51: BOM_Manufacturer="Tak Cheong", BOM_Manufacturer Part=1N4148W, BOM_Supplier=LCSC, BOM_Supplier Part=C129216, Contributor=LCEDA_Lib, spicePre=D, spiceSymbolName=1N4148W
D7: BOM_JLCPCB Part Class="Extended Part", BOM_Manufacturer=DIODES, BOM_Manufacturer Part=BAV99-7-F, BOM_Supplier=LCSC, BOM_Supplier Part=C106919, spicePre=D, spiceSymbolName=BAV99-7-F
D37: BOM_JLCPCB Part Class="Basic Part", BOM_Manufacturer=MDD, BOM_Manufacturer Part=SS14, BOM_Supplier=LCSC, BOM_Supplier Part=C2480, spicePre=D, spiceSymbolName=SS14
D300 D301: library part SMBJ16CA, "TVS Diode (Bi-directional)", Manufacturer_Name=Bourns, Mouser Part Number=652-SMBJ16CA, Arrow Part Number=SMBJ16CA, Arrow Price/Stock=https://www.arrow.com/en/products/smbj16ca/bourns, Datasheet Link=https://componentsearchengine.com/Datasheets/2/SMBJ16CA.pdf, Height=2.61mm, Manufacturer_Part_Number=SMBJ16CA, Mouser Price/Stock=https://www.mouser.co.uk/ProductDetail/Bourns/SMBJ16CA?qs=d7fLapxX37HIDtp0KgHIow%3D%3D
J1 J2 J5: BOM_JLCPCB Part Class="Extended Part", BOM_Manufacturer=DreamLNK, BOM_Manufacturer Part=SMA-KE-P901, BOM_Supplier=LCSC, BOM_Supplier Part=C914556, Contributor=LCSC, spicePre=R, spiceSymbolName=SMA-KE-P901
J7: BOM_JLCPCB Part Class="Extended Part", BOM_Manufacturer=Toponelec(??), BOM_Manufacturer Part=TY500-5.08-02P-14-00AH, BOM_Supplier=LCSC, BOM_Supplier Part=C2828268, Contributor=LCSC, spicePre=C, spiceSymbolName=TY500-5.08-02P-14-00AH
J9: BOM_JLCPCB Part Class="Extended Part", BOM_Manufacturer=DreamLNK, BOM_Manufacturer Part=SMA-KE-P901, Package Display=No, BOM_Supplier=LCSC, BOM_Supplier Part=C914556, Contributor=LCSC, spicePre=R, spiceSymbolName=SMA-KE-P901
K1 K2 K4 K8 K9 K10 K11 K12 K13 K14 K15 K16 K17 K18 K19 K20 K21 K24 K25 K26 K27 K28 K29 K30 K31 K32 K33 K34 K35: BOM_JLCPCB Part Class="Extended Part", BOM_Manufacturer=OMRON, BOM_Manufacturer Part=G6S-2-12V, BOM_Supplier=LCSC, BOM_Supplier Part=C28410, spicePre=K, spiceSymbolName=G6S-2-12V
K50: BOM_Manufacturer="Omron Electronics", BOM_Manufacturer Part=-, BOM_Supplier=LCSC, BOM_Supplier Part=C231389, Contributor=LCSC, spicePre=K, spiceSymbolName="G6K-2F-Y DC5"
L1 L2 L3 L7 L8 L10 L11 L13 L14 L16 L17 L19 L20 L22 L23 L25 L26 L35 L36 L39 L41 L42: BOM_Manufacturer=China, BOM_Manufacturer Part=BL02RN2R1M2, BOM_Supplier Part=C84974, Contributor="?????????? ?????????", nameAlias=Value(H), spicePre=L, spiceSymbolName="T68-2 Iron Powder Toroidal Inductor"
L134 L135 L136 L149 L151 L152 L153 L155 L301 L302 L303 L304 L305 L306 L307 L308 L309 L310 L311 L312 L313 L314 L315 L316 L317 L318 L319 L320 L321 L322 L323 L324 L325 L326 L327 L328 L329 L330 L331 L332 L333: BOM_Manufacturer=KEMET, BOM_Manufacturer Part=L0805C100MDWIT, BOM_Supplier=LCSC, BOM_Supplier Part=C696787, Contributor="?????????? ???????", spicePre=L, spiceSymbolName=L0805-WOLF
L200: library part IND_0805, "IND_0805"
L201 L300: library part IND_FERRITE_CORE, "Inductor"
P200 P300: library part "Header 2", "Header, 2-Pin", LatestRevisionDate=17-Jul-2002, LatestRevisionNote="Re-released for DXP Platform.", Publisher="Altium Limited"
Q10: BOM_JLCPCB Part Class="Extended Part", BOM_Manufacturer="VBsemi Elec", BOM_Manufacturer Part=IRLML9301TR, BOM_Supplier=LCSC, BOM_Supplier Part=C710004, Contributor=LCSC, spicePre=Q, spiceSymbolName=IRLML9301TR
Q11: BOM_JLCPCB Part Class="Extended Part", BOM_Manufacturer=IR, BOM_Manufacturer Part=IRLML9301TRPBF, BOM_Supplier=LCSC, BOM_Supplier Part=C82056, Contributor=LCSC, spicePre=Q, spiceSymbolName=IRLML9301TRPBF
Q12: BOM_JLCPCB Part Class="Extended Part", BOM_Manufacturer=CJ, BOM_Manufacturer Part=BSS123, BOM_Supplier=LCSC, BOM_Supplier Part=C79015, spicePre=Q, spiceSymbolName=BSS123
Q202 Q300: library part MOSFET_ENH_PD, "MOSFET"
R14: BOM_Manufacturer=NXP(???), BOM_Manufacturer Part=KTY81/110,112, BOM_Supplier=LCSC, BOM_Supplier Part=C1527155, Contributor=LCSC, spicePre=U, spiceSymbolName=KTY81/110,112
R46: BOM_Manufacturer=BOURNS, BOM_Manufacturer Part=3296W-1-102LF, BOM_Supplier=LCSC, BOM_Supplier Part=C57089, nameAlias="Resistance (Ohms)", Resistance(Ohms)=1K, spicePre=R, spiceSymbolName=3296W-1-102LF
R66: BOM_Manufacturer=ReliaPro, BOM_Manufacturer Part=3362P-1-105, BOM_Supplier=LCSC, BOM_Supplier Part=C20063, nameAlias=Resistance(Ohms), spicePre=R, spiceSymbolName=3362P-1-105
R200 R208 R210 R211 R213 R214 R301 R302 R303 R304: library part RES_1206, "RES_1206"
R209 R212 R215 R216 R217 R218 R219 R220 R221 R306 R307 R308 R309 R310 R311 R312: library part RES_0805, "RES_0805"
R222 R223: library part 306J, "306J"
R300 R305: library part R1206, "RES", TempCo="100 ppm/C", Tolerance_%=1, Value1=1%, Value2=2W, CompType=Resistor, MountType=SMT, PackageReference=1206, SizeArea_mm2=5.12, SizeX_mm=3.2, SizeY_mm=1.6, SizeZ_mm=1.35, Technology="Thick Film"
R313 R314: library part 306J, "3296W-1-103LF"
T200: library part TRANSF_RF3
T201: library part TRANSF_ACORE2
T300: library part TRANSF_RF2
TSWR: BOM_Manufacturer=Fair-Rite, BOM_Manufacturer Part=2843010302, BOM_Supplier Part=2843010302, Contributor=LCEDA_Lib, nameAlias=Value(H), spicePre=T, spiceSymbolName=BN-43-303_TANDEM
U9: BOM_JLCPCB Part Class="Extended Part", BOM_Manufacturer=null, BOM_Manufacturer Part=PE4302-EK, BOM_Supplier=LCSC, BOM_Supplier Part=C2763949, Contributor=LCSC, spicePre=U, spiceSymbolName=PE4302-EK
U12: Package Display=No, BOM_Manufacturer Part="axicom im06c", BOM_Supplier=axicom, Contributor=ys1797, spicePre=U, spiceSymbolName="axicom im06c"
U13 U14: BOM_JLCPCB Part Class="Extended Part", BOM_Manufacturer="Analog Devices", BOM_Manufacturer Part=ADG918BRMZ-500RL7, BOM_Supplier=LCSC, BOM_Supplier Part=C207406, Contributor=LCSC, spicePre=U, spiceSymbolName=ADG918BRMZ-500RL7
U20: BOM_Manufacturer="Analog Devices", BOM_Manufacturer Part=LT1117IST#PBF, BOM_Supplier=LCSC, BOM_Supplier Part=C661269, Contributor=LCSC, spicePre=U, spiceSymbolName=LT1117IST#PBF
U301: library part LT1117IST-ADJ
C1 C7 C8 C9 C10 C11 C16 C67 C68 C69 C70 C71 C72 C73 C75 C76 C78 C79 C82 C83 C89 C90 C107 C108 C109 C110 C112 C113 C117 C120 C121 C122 C123 C124 C127 C130 C131 C132 C133 C141 C142 C143 C144 C145 C146 C147 C148 C149 C150 C151 C152 C153 C154 C157 C158 C159 C160 C161 C162 C163 C164 C165 C166 C167 C170 C171 C201 C202 C203 C204 C207 C208 C210 C241 C301 C302 C303 C304 C305 C306 C307 C308 C310 C311 C312 C313 C314 C315 C316 C317 C319 C320 C321 C322 C323 C324 C332 C333 C334 C335 C336 C344 C345 C346 C347 C348 C358 C359 C360 C361 C362 C372 C373 C374 C375 C376 C388 C389 C390: Contributor=LCEDA_Lib, nameAlias=Value(F), spicePre=C, spiceSymbolName=C_0805_EU
C2 C3 C4 C5 C6 C12 C13 C14 C15 C17 C18 C19 C20 C22 C23 C24 C25 C27 C28 C29 C30 C32 C33 C34 C35 C37 C39 C40 C41 C43 C44 C45 C46 C84 C85 C86 C87 C88: Contributor=LCEDA_Lib, nameAlias=Value(F), spicePre=C, spiceSymbolName=C_1206_EU
C74 C77: Contributor=EasyEDA, nameAlias=Value(F), spicePre=C, spiceSymbolName=Cap_Tantalum(SMD)_B-3528_EU
FB1 FB2: Contributor="Tommy H", spicePre=L, spiceSymbolName=IND_FERRITE_BEAD
H1: BOM_Supplier=LCSC, BOM_Supplier Part=C49661, Contributor=LCEDA_Lib, spicePre=H, spiceSymbolName=HDR-F-2.54_1x2
J3 J4: spicePre=C, spiceSymbolName=IDC10, timeStamp=1471955319
L31 L32 L33 L34 L46 L140 L141 L142: Contributor=LCEDA_Lib, nameAlias=Value(H), spicePre=L, spiceSymbolName=L0805_US
Q4: Contributor=radiofannat, spicePre=I, spiceSymbolName=SPF5189Z
Q8: BOM_Manufacturer Part=RA80H1415M1, Contributor=konster13.84, spicePre=U, spiceSymbolName=RA80H1415M1
Q9: Contributor=Broadcastshop, spicePre=U, spiceSymbolName=RD01MUS1
R3 R7 R8 R9 R10 R11 R12 R13 R21 R22 R23 R24 R25 R26 R31 R32 R33 R35 R37 R45 R48 R51 R57 R58 R69 R70 R71 R72 R75 R201 R202 R203 R204 R205 R206 R207: Contributor=LCEDA_Lib, nameAlias=Value(O), spicePre=R, spiceSymbolName=R_0805_EU
R36 R39 R49 R50 R54 R55 R56 R64 R65 R67 R68 R73: Contributor=LCEDA_Lib, nameAlias=Value(O), spicePre=R, spiceSymbolName=R_1206_EU
T6: BOM_Manufacturer Part="VHF Tandem Meter", Contributor=konster13.84, spicePre=U, spiceSymbolName="VHF Tandem Meter"
U4: BOM_Manufacturer Part="axicom im06c", BOM_Supplier=axicom, Contributor=ys1797, spicePre=U, spiceSymbolName="axicom im06c"
U6: spicePre=U, spiceSymbolName=LM1117DT-5.0
U24 U25 U26 U27: spicePre=X, spiceSymbolName=ADG904BRUZ

## Free pads (board coordinates)
  round 5 hole 3.1: 4(3.81,-74.422) 4(33.274,-74.422) 4(92.964,-70.358)
  rect 10x4.5 smd: 7(54.356,-5.842) 8(115.062,-5.842)

## Via types
v1: diameter 0.5, hole 0.3, Top Layer to Bottom Layer, tented both sides, 9171 vias
v2: diameter 1, hole 0.61, Top Layer to Bottom Layer, 141 vias
v3: diameter 0.9, hole 0.5, Top Layer to Bottom Layer, 84 vias
v4: diameter 0.61, hole 0.305, Top Layer to Bottom Layer, 83 vias
v5: diameter 0.5, hole 0.3, Top Layer to Bottom Layer, tented bottom, 64 vias
v6: diameter 0.6, hole 0.3, Top Layer to Bottom Layer, 43 vias
v7: diameter 4, hole 3.1, Top Layer to Bottom Layer, 6 vias
v8: diameter 0.7, hole 0.3, Top Layer to Bottom Layer, 4 vias
v9: diameter 0.61, hole 0.306, Top Layer to Bottom Layer, 3 vias
v10: diameter 0.5, hole 0.305, Top Layer to Bottom Layer, 2 vias
v11: diameter 2, hole 1, Top Layer to Bottom Layer, 2 vias
v12: diameter 0.5, hole 0.3, Top Layer to Bottom Layer, 1 vias
v13: diameter 5, hole 3.1, Top Layer to Bottom Layer, 1 vias
v14: diameter 1, hole 0.4, Top Layer to Bottom Layer, 1 vias